# Altium PCB UAVPoS_V2_0.PcbDoc (part 2 of 3)
Units mm, origin at the board's own origin, x right, y up, seen from the top; angles counter-clockwise.
Board outline 222.6 x 240.1 mm, 2 copper layers (Top Layer, Bottom Layer); 196 components, 103 nets, 652 pads, 564 vias.
Unrouted connection lines stored in the file: 6.
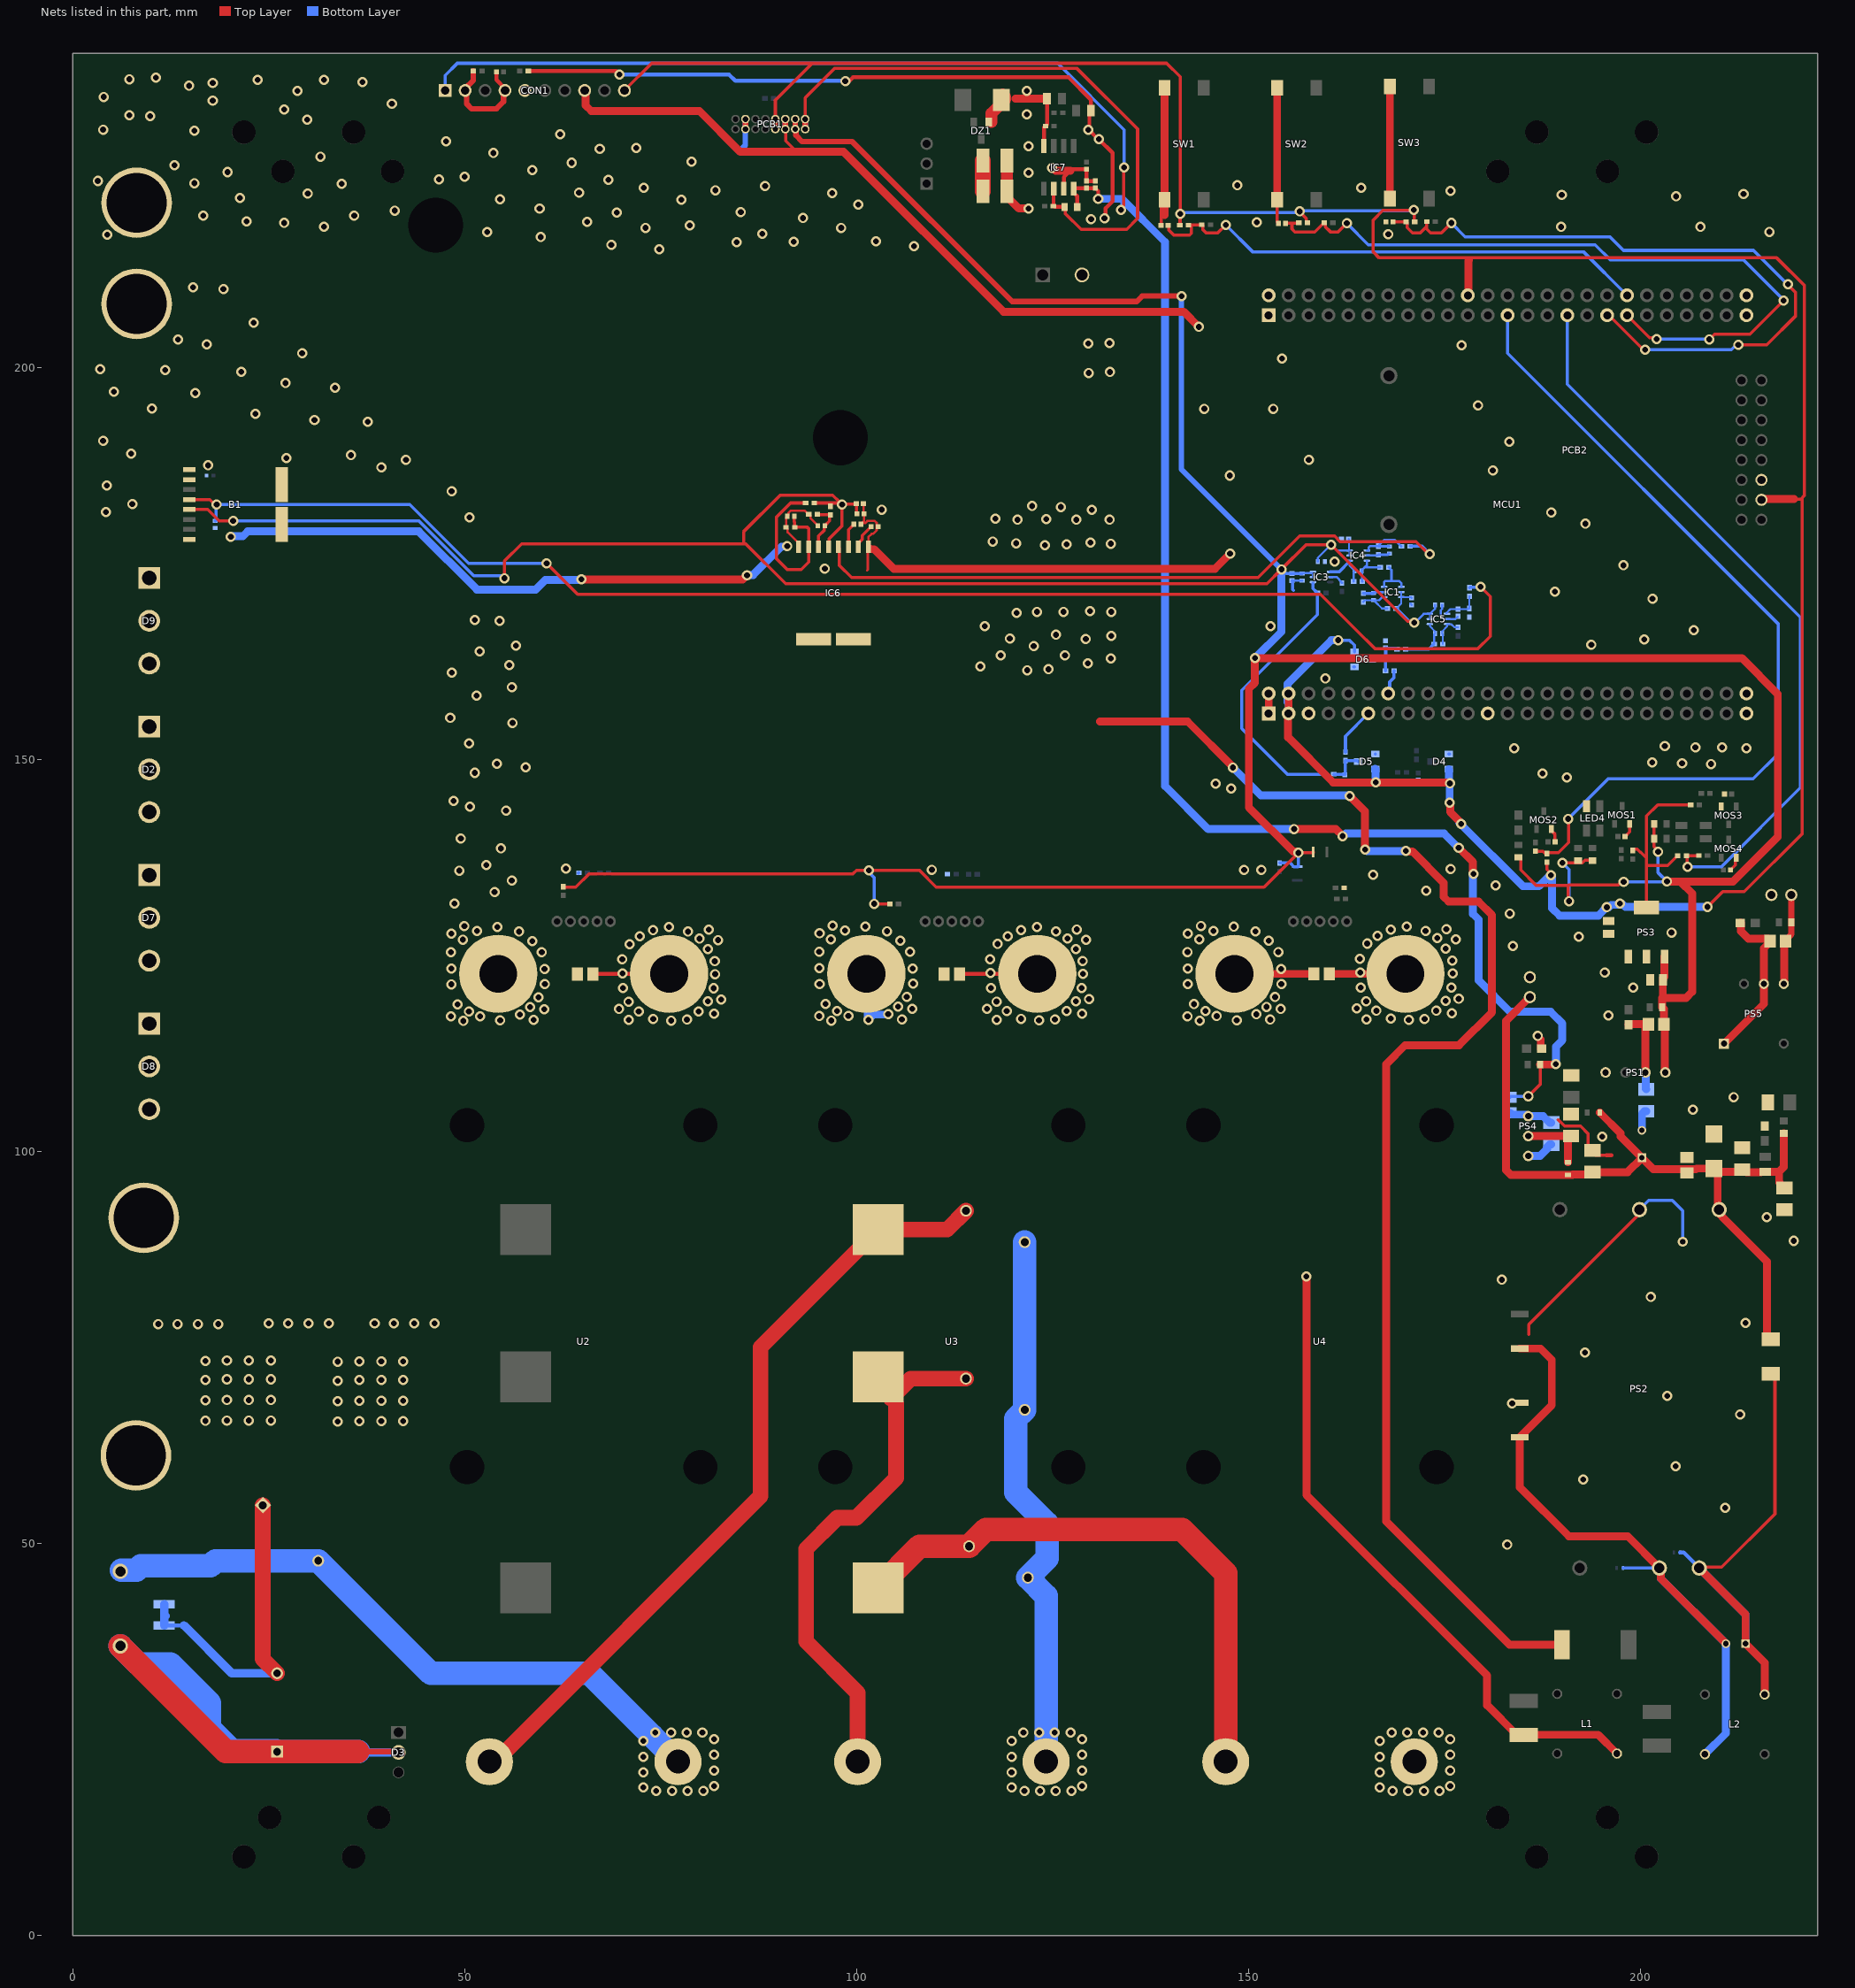
[diagram p2: the nets of this part, all layers, seen from the top]

## Part data (continued)
R20: library part RC0402FR-073K6L, "Res Thick Film 0402 3.6K Ohm 1% 0.063W(1/16W)", Case Code (Imperial)=0402, Case Code (Metric)=1005, Manufacturer=Yageo, Max Operating Temperature=155°C, Max Power Dissipation=63mW, Min Operating Temperature=-55°C, Package Quantity=1, Power Rating=62.5mW, Resistance=3.6kR, Resistance Tolerance=1%, Resistor Type="Thick Film", Supplier Part Number 1=603-RC0402FR-073K6L, Temperature Coefficient=100ppm/°C, Voltage Rating=50V, Case/Package=0402, Category="Chip SMD Resistors", ComponentLink1Description=https://datasheet.ciiva.com/2553/pyu-r-int-th, ComponentLink1URL=https://datasheet.ciiva.com/2553/pyu-r-int-th, ComponentLink2Description=https://datasheet.ciiva.com/2553/pyu-r-int-th, ComponentLink2URL=https://datasheet.ciiva.com/2553/pyu-r-int-th, ComponentLink3Description=https://datasheet.ciiva.com/2553/pyu-r-int-th, ComponentLink3URL=https://datasheet.ciiva.com/2553/pyu-r-int-th, ComponentLink4Description=https://datasheet.ciiva.com/15189/getdatashee, ComponentLink4URL=https://datasheet.ciiva.com/15189/getdatashee, Construction=Rectangular, Depth=0.5mm, Features="Moisture Resistant", Height=0.016inch, Lead Free="Lead Free", Length=1mm, Manufacturer Part Number=RC0402FR-073K6L, Military Standard=Not, Number of Pins=2, Number of Terminations=2, Packaging="Tape and Reel", Part Number=RC0402FR-073K6L, Pricing 1="1=0,10000, 10=0,01200, 50=0,01200, 100=0,0050", Reach SVHC Compliant=Yes, RoHS=Yes, RoHS Compliant=Yes, Series=RC, Size Code=0402, Stock 1=304505, Supplier 1=Mouser, Termination=SMD/SMT, Tolerance=1%, Voltage Rating (DC)=50V, Weight=2.3E-05oz, Width=0.5mm
R21 R24 R30 R31 R36: library part RC0402FR-071K4L, "Res General Purpose Thick Film 0402 1.4K Ohm", Case Code (Imperial)=0402, Case Code (Metric)=1005, Manufacturer=Yageo, Max Operating Temperature=155°C, Max Power Dissipation=63mW, Min Operating Temperature=-55°C, Power Rating=62.5mW, Resistance=1.4kR, Resistor Type="Thick Film", Supplier Part Number 1=603-RC0402FR-071K4L, Temperature Coefficient=100ppm/°C, Tolerance=1%, Voltage Rating=50V, Case/Package=0402, Category="Chip SMD Resistors", ComponentLink1Description=https://datasheet.ciiva.com/8895/pyu-rc0402-5, ComponentLink1URL=https://datasheet.ciiva.com/8895/pyu-rc0402-5, Construction=Rectangular, Contact Plating=Tin,Matte, Depth=0.5mm, Features="Moisture Resistant", Height=0.016inch, Lead Free="Lead Free", Length=1mm, Manufacturer Part Number=RC0402FR-071K4L, Military Standard=Not, Number of Terminations=2, Packaging="Tape and Reel", Part Number=RC0402FR-071K4L, Pricing 1="1=0,10000, 10=0,01200, 50=0,01200, 100=0,0050", Radiation Hardening=No, RoHS=Yes, RoHS Compliant=Yes, Series=RC, Size Code=0402, Stock 1=159478, Supplier 1=Mouser, Termination=SMD/SMT, Voltage Rating (DC)=50V, Width=0.5mm
R22: library part RC0402FR-074K22L, "RES SMD 4.22K OHM 1% 1/16W 0402", Case Code (Imperial)=0402, Case Code (Metric)=1005, Manufacturer=Yageo, Max Operating Temperature=155°C, Max Power Dissipation=63mW, Min Operating Temperature=-55°C, Power Rating=62.5mW, Resistance=4.22kR, Resistor Type="Thick Film", Supplier Part Number 1=603-RC0402FR-074K22L, Temperature Coefficient=100ppm/°C, Tolerance=1%, Voltage Rating=50V, Case/Package=0402, Category="Chip SMD Resistors", ComponentLink1Description=https://datasheet.ciiva.com/5558/pyu-rc0402-5, ComponentLink1URL=https://datasheet.ciiva.com/5558/pyu-rc0402-5, ComponentLink2Description=https://datasheet.ciiva.com/8893/pyu-rc0402-5, ComponentLink2URL=https://datasheet.ciiva.com/8893/pyu-rc0402-5, ComponentLink3Description=https://datasheet.ciiva.com/26830/getdatashee, ComponentLink3URL=https://datasheet.ciiva.com/26830/getdatashee, Construction=Rectangular, Contact Plating=Tin,Matte, Depth=0.5mm, Features="Moisture Resistant", Height=0.016inch, Lead Free="Lead Free", Length=1mm, Manufacturer Part Number=RC0402FR-074K22L, Military Standard=Not, Number of Terminations=2, Packaging="Tape and Reel", Part Number=RC0402FR-074K22L, Pricing 1="1=0,10000, 10=0,01400, 50=0,01400, 100=0,0050", RoHS=Yes, RoHS Compliant=Yes, Series=RC, Size Code=0402, Stock 1=51550, Supplier 1=Mouser, Termination=SMD/SMT, Voltage Rating (DC)=50V, Width=0.02inch
R23: library part RC0402FR-07845RL, "Res Thick Film 0402 845 Ohm 1% 1/16W ±100ppm/", Case Code (Imperial)=0402, Case Code (Metric)=1005, Manufacturer=Yageo, Max Operating Temperature=155°C, Max Power Dissipation=63mW, Min Operating Temperature=-55°C, Power Rating=62.5mW, Resistor Type="Thick Film", Supplier Part Number 1=603-RC0402FR-07845RL, Temperature Coefficient=100ppm/°C, Tolerance=1%, Voltage Rating=50V, Case/Package=0402, Category="Chip SMD Resistors", ComponentLink1Description=https://datasheet.ciiva.com/17423/pyu-rc0402-, ComponentLink1URL=https://datasheet.ciiva.com/17423/pyu-rc0402-, Construction=Rectangular, Contact Plating=Tin,Matte, Depth=0.5mm, Features="Moisture Resistant", Height=0.016inch, Lead Free="Lead Free", Length=1mm, Manufacturer Part Number=RC0402FR-07845RL, Military Standard=Not, Number of Terminations=2, Packaging="Tape and Reel", Part Number=RC0402FR-07845RL, Pricing 1="1=0,10000, 10=0,01200, 50=0,01200, 100=0,0050", Resistance=845R, RoHS=Yes, RoHS Compliant=Yes, Series=RC, Size Code=0402, Stock 1=37160, Supplier 1=Mouser, Termination=SMD/SMT, Width=0.5mm
R25: library part RT0603BRD07100KL, "RES SMD 100K OHM 0.1% 1/10W 0603", Case Code (Imperial)=0603, Case Code (Metric)=1608, Manufacturer=Yageo, Max Operating Temperature=125°C, Max Power Dissipation=100mW, Min Operating Temperature=-55°C, Package Quantity=5000, Resistance=100kR, Resistor Type="Thin Film", Supplier Part Number 1=603-RT0603BRD07100KL, Temperature Coefficient=25ppm/°C, Tolerance=0.1%, Voltage Rating=75V, Case/Package=0603, Category="Chip SMD Resistors", ComponentLink1Description=https://datasheet.ciiva.com/11819/0900766b807, ComponentLink1URL=https://datasheet.ciiva.com/11819/0900766b807, Construction=Rectangular, Depth=0.8mm, Features="Moisture Resistant", Height=0.022inch, Lead Free="Lead Free", Length=1.6mm, Manufacturer Part Number=RT0603BRD07100KL, Military Standard=Not, Mount="Surface Mount", Number of Terminations=2, Packaging="Tape and Reel", Part Number=RT0603BRD07100KL, Power Rating=100mW, Pricing 1="1=0,33000, 10=0,25600, 50=0,25600, 100=0,1080", RoHS=Yes, RoHS Compliant=Yes, Series=RT, Stock 1=117151, Supplier 1=Mouser, Technology="THIN FILM", Termination=SMD/SMT, Voltage Rating (DC)=75V, Width=0.031inch, Working Voltage=75V
R26: library part RT0402BRD07604RL, "Res Thin Film 0402 604 Ohm 0.1% 1/16W ±25ppm/", Case Code (Imperial)=0402, Case Code (Metric)=1005, Manufacturer=Yageo, Max Operating Temperature=125°C, Max Power Dissipation=63mW, Min Operating Temperature=-55°C, Package Quantity=10000, Power Rating=62.5mW, Resistance=604R, Resistor Type="Thin Film", Supplier Part Number 1=603-RT0402BRD07604RL, Temperature Coefficient=25ppm/°C, Tolerance=0.1%, Voltage Rating=50V, Case/Package=0402, Category="Chip SMD Resistors", ComponentLink1Description=https://datasheet.ciiva.com/2582/pyu-rt-1-to-, ComponentLink1URL=https://datasheet.ciiva.com/2582/pyu-rt-1-to-, ComponentLink2Description=https://datasheet.ciiva.com/12723/pyu-rt-1-to, ComponentLink2URL=https://datasheet.ciiva.com/12723/pyu-rt-1-to, Height=0.014inch, Lead Free="Lead Free", Length=0.039inch, Manufacturer Part Number=RT0402BRD07604RL, Number of Terminations=2, Packaging="Tape and Reel", Part Number=RT0402BRD07604RL, Pricing 1="1=0,36000, 10=0,26100, 50=0,26100, 100=0,1050", RoHS=Yes, RoHS Compliant=Yes, Series=RT, Stock 1=5469, Supplier 1=Mouser, Termination=SMD/SMT, Voltage Rating (DC)=50V, Width=0.02inch
R27: library part RT0603BRD07374RL, "Res Thin Film 0603 374 Ohm 0.1% 1/10W ±25ppm/", Case Code (Imperial)=0603, Case Code (Metric)=1608, Manufacturer=Yageo, Max Operating Temperature=155°C, Max Power Dissipation=100mW, Min Operating Temperature=-55°C, Package Quantity=5000, Resistance=374R, Resistor Type="Thin Film", Supplier Part Number 1=603-RT0603BRD07374RL, Temperature Coefficient=25ppm/°C, Tolerance=0.1%, Voltage Rating=75V, Voltage Rating (DC)=50V, Case/Package=0603, Category="Chip SMD Resistors", ComponentLink1Description=https://datasheet.ciiva.com/2585/pyu-rt-1-to-, ComponentLink1URL=https://datasheet.ciiva.com/2585/pyu-rt-1-to-, ComponentLink2Description=https://datasheet.ciiva.com/12702/pyu-rt-1-to, ComponentLink2URL=https://datasheet.ciiva.com/12702/pyu-rt-1-to, ComponentLink3Description=https://datasheet.ciiva.com/46635/pyu-rt-1-to, ComponentLink3URL=https://datasheet.ciiva.com/46635/pyu-rt-1-to, Features="Moisture Resistant", Height=0.022inch, Lead Free="Lead Free", Length=0.063inch, Manufacturer Part Number=RT0603BRD07374RL, Number of Terminations=2, Packaging="Tape and Reel", Part Number=RT0603BRD07374RL, Power Rating=100mW, Pricing 1="1=0,33000, 10=0,27400, 50=0,27400, 100=0,1080", RoHS=Yes, RoHS Compliant=Yes, Series=RT, Stock 1=5833, Supplier 1=Mouser, Termination=SMD/SMT, Width=0.031inch
R28 R29 R32 R34 R35: library part RC0402FR-072KL, "Res General Purpose Thick Film 0402 2K Ohm 1%", Case Code (Imperial)=0402, Case Code (Metric)=1005, Manufacturer=Yageo, Max Operating Temperature=155°C, Max Power Dissipation=63mW, Min Operating Temperature=-55°C, Package Quantity=1, Resistance=2kR, Resistance Tolerance=1%, Resistor Type="Thick Film", Supplier Part Number 1=603-RC0402FR-072KL, Temperature Coefficient=100ppm/°C, Voltage Rating=50V, Case/Package=0402, Category="Chip SMD Resistors", ComponentLink1Description=https://datasheet.ciiva.com/11808/0900766b80c, ComponentLink1URL=https://datasheet.ciiva.com/11808/0900766b80c, ComponentLink2Description=https://datasheet.ciiva.com/2453/pyu-r-int-th, ComponentLink2URL=https://datasheet.ciiva.com/2453/pyu-r-int-th, ComponentLink3Description=https://datasheet.ciiva.com/2453/pyu-r-int-th, ComponentLink3URL=https://datasheet.ciiva.com/2453/pyu-r-int-th, ComponentLink4Description=https://datasheet.ciiva.com/2453/pyu-r-int-th, ComponentLink4URL=https://datasheet.ciiva.com/2453/pyu-r-int-th, ComponentLink5Description=https://datasheet.ciiva.com/15189/getdatashee, ComponentLink5URL=https://datasheet.ciiva.com/15189/getdatashee, ComponentLink6Description=https://datasheet.ciiva.com/12667/pyu-rc0402-, ComponentLink6URL=https://datasheet.ciiva.com/12667/pyu-rc0402-, ComponentLink7Description=https://datasheet.ciiva.com/7983/1018594-7983, ComponentLink7URL=https://datasheet.ciiva.com/7983/1018594-7983, ComponentLink8Description=https://datasheet.ciiva.com/7849/1018594-7849, ComponentLink8URL=https://datasheet.ciiva.com/7849/1018594-7849, ComponentLink9Description=https://datasheet.ciiva.com/7849/1018594-7849, ComponentLink9URL=https://datasheet.ciiva.com/7849/1018594-7849, Construction=Rectangular, Depth=0.5mm, Features="Moisture Resistant", Height=0.016inch, Lead Free="Lead Free", Length=1mm, Manufacturer Part Number=RC0402FR-072KL, Military Standard=Not, Number of Terminations=2, Packaging="Tape and Reel", Part Number=RC0402FR-072KL, Power Rating=63mW, Pricing 1="1=0.10000, 10=0.01600, 50=0.01600, 100=0.0070", REACH SVHC=Unknown, RoHS=Yes, RoHS Compliant=Yes, Series=RC, Stock 1=259736, Supplier 1=Mouser, Technology="THICK FILM", Termination=SMD/SMT, Tolerance=1%, Voltage Rating (DC)=50V, Width=0.02inch, Working Voltage=50V
R33 R69: library part RC0402FR-071K02L, "Res Thick Film 0402 1.02K Ohm 1% 1/16W ±100pp", Case/Package=0402, Manufacturer=Yageo, Supplier Part Number 1=603-RC0402FR-071K02L, Category="Chip SMD Resistors", Manufacturer Part Number=RC0402FR-071K02L, Part Number=RC0402FR-071K02L, Pricing 1="1=0.10000, 10=0.01400, 50=0.01400, 100=0.0060", RoHS=Yes, Stock 1=55716, Supplier 1=Mouser
R37 R38 R39 R40 R41 R42 R64 R65 R66: library part RT0402FRE07100RL, "Res Thin Film 0402 100 Ohm 1% 0.063W(1/16W) ±", Case Code (Imperial)=0402, Case Code (Metric)=1005, Manufacturer=Yageo, Max Operating Temperature=125°C, Max Power Dissipation=63mW, Min Operating Temperature=-55°C, Package Quantity=10000, Power Rating=62.5mW, Resistor Type="Thin Film", Supplier Part Number 1=603-RT0402FRE07100RL, Temperature Coefficient=50ppm/°C, Tolerance=1%, Voltage Rating=50V, Case/Package=0402, Category="Chip SMD Resistors", ComponentLink1Description=https://datasheet.ciiva.com/12836/pyu-rt-1-to, ComponentLink1URL=https://datasheet.ciiva.com/12836/pyu-rt-1-to, ComponentLink2Description=https://datasheet.ciiva.com/8887/pyu-rt-1-to-, ComponentLink2URL=https://datasheet.ciiva.com/8887/pyu-rt-1-to-, Construction=Rectangular, Contact Plating=Tin,Matte, Depth=0.5mm, Features="Moisture Resistant", Height=0.014inch, Lead Free="Lead Free", Length=1mm, Manufacturer Part Number=RT0402FRE07100RL, Military Standard=Not, Number of Terminations=2, Packaging="Tape and Reel", Part Number=RT0402FRE07100RL, Pricing 1="1=0,10000, 10=0,07000, 50=0,07000, 100=0,0290", Radiation Hardening=No, Resistance=100R, RoHS=Yes, RoHS Compliant=Yes, Series=RT, Size Code=0402, Stock 1=800109, Supplier 1=Mouser, Termination=SMD/SMT, Voltage Rating (DC)=50V, Weight=2.3E-05oz, Width=0.02inch
R49 R53 R54 R55 R63: library part RT0402FRE0710RL, "Res Thin Film 0402 10 Ohm 1% 0.063W(1/16W) ±5", Case Code (Imperial)=0402, Case Code (Metric)=1005, Manufacturer=Yageo, Max Operating Temperature=125°C, Max Power Dissipation=63mW, Min Operating Temperature=-55°C, Power Rating=62.5mW, Resistor Type="Thin Film", Supplier Part Number 1=603-RT0402FRE0710RL, Temperature Coefficient=50ppm/°C, Tolerance=1%, Voltage Rating=50V, Case/Package=0402, Category="Chip SMD Resistors", ComponentLink1Description=https://datasheet.ciiva.com/12812/pyu-rt-1-to, ComponentLink1URL=https://datasheet.ciiva.com/12812/pyu-rt-1-to, Construction=Rectangular, Contact Plating=Tin,Matte,Lead, Depth=0.5mm, Height=0.3mm, Lead Free="Lead Free", Length=1mm, Manufacturer Part Number=RT0402FRE0710RL, Military Standard=Not, Number of Terminations=2, Packaging="Tape and Reel", Part Number=RT0402FRE0710RL, Pricing 1="1=0,10110, 10=0,08390, 25=0,08320, 100=0,0347", Radiation Hardening=No, Resistance=10R, RoHS=Yes, RoHS Compliant=Yes, Series=RT, Stock 1=9607, Supplier 1=Mouser, Termination=SMD/SMT, Voltage Rating (DC)=50V, Weight=2.3E-05oz, Width=0.5mm
R56: library part RT0805BRD0743KL, "Res Thin Film 0805 43K Ohm 0.1% 1/8W ±25ppm/°", Case Code (Imperial)=0805, Case Code (Metric)=2012, Manufacturer=Yageo, Max Operating Temperature=155°C, Max Power Dissipation=125mW, Min Operating Temperature=-55°C, Package Quantity=5000, Resistance=43kR, Resistor Type="Thin Film", Supplier Part Number 1=603-RT0805BRD0743KL, Temperature Coefficient=25ppm/°C, Tolerance=0.1%, Voltage Rating=150V, Case/Package=0805, Category="Chip SMD Resistors", ComponentLink1Description=https://datasheet.ciiva.com/2585/pyu-rt-1-to-, ComponentLink1URL=https://datasheet.ciiva.com/2585/pyu-rt-1-to-, Features="Moisture Resistant", Height=0.024inch, Lead Free="Lead Free", Length=0.079inch, Manufacturer Part Number=RT0805BRD0743KL, Number of Terminations=2, Packaging="Tape and Reel", Part Number=RT0805BRD0743KL, Power Rating=125mW, Pricing 1="1=0,39000, 10=0,27800, 50=0,27800, 100=0,1120", RoHS=Yes, RoHS Compliant=Yes, Series=RT, Size Code=0805, Stock 1=2727, Supplier 1=Mouser, Termination=SMD/SMT, Voltage Rating (DC)=150V, Weight=0.000194oz, Width=0.049inch
R57: library part MCT06030C3161FP500, "Res Thin Film 0603 3.16K Ohm 1% 1/10W ±50ppm/", Case Code (Imperial)=0603, Case Code (Metric)=1608, Manufacturer="Vishay BCcomponents", Max Operating Temperature=125°C, Max Power Dissipation=125mW, Min Operating Temperature=-55°C, Power Rating=100mW, Resistance=3.16kR, Resistance Tolerance=1%, Resistor Type="Thin Film", Supplier Part Number 1=594-MCT06030C3161FP5, Temperature Coefficient=50ppm/°C, Voltage Rating=75V, Case/Package=0603, Category="Chip SMD Resistors", ComponentLink1Description=https://datasheet.ciiva.com/9112/mc-pro-91126, ComponentLink1URL=https://datasheet.ciiva.com/9112/mc-pro-91126, Construction=Rectangular, Contact Plating=Tin, Depth=0.85mm, Features=Anti-Sulfur, Lead Free="Lead Free", Length=1.55mm, Manufacturer Part Number=MCT06030C3161FP500, Military Standard=Not, Mount="Surface Mount", Number of Terminations=2, Packaging="Tape and Reel", Part Number=MCT06030C3161FP500, Pricing 1="10=0,12800, 25=0,10200, 50=0,07500, 100=0,049", Radiation Hardening=No, REACH SVHC=Unknown, RoHS=Yes, RoHS Compliant=Yes, Series="MCT - Professional", Stock 1=202, Supplier 1=Mouser, Tolerance=1%, Voltage Rating (DC)=75V, Width=850um
R58 R61: library part Res0402_TBD, Part Number=Res0402_TBD
R59: library part ERA-6AEB102V, "Res Thin Film 0805 1K Ohm 0.1% 0.125W(1/8W) +", Case Code (Imperial)=0805, Case Code (Metric)=2012, Manufacturer=Panasonic, Max Operating Temperature=155°C, Max Power Dissipation=125mW, Min Operating Temperature=-55°C, Package Quantity=5000, Resistance=1kR, Resistance Tolerance=0.1%, Resistor Type="Thin Film", Supplier Part Number 1=667-ERA-6AEB102V, Temperature Coefficient=25ppm/°C, Voltage Rating=100V, Case/Package=0805, Category=Uncategorized, ComponentLink1Description=https://datasheet.ciiva.com/11811/0900766b80b, ComponentLink1URL=https://datasheet.ciiva.com/11811/0900766b80b, ComponentLink2Description=https://datasheet.ciiva.com/29184/453027-da-0, ComponentLink2URL=https://datasheet.ciiva.com/29184/453027-da-0, ComponentLink3Description=https://datasheet.ciiva.com/43455/485442-4345, ComponentLink3URL=https://datasheet.ciiva.com/43455/485442-4345, ComponentLink4Description=https://datasheet.ciiva.com/7942/485442-79424, ComponentLink4URL=https://datasheet.ciiva.com/7942/485442-79424, ComponentLink5Description=https://datasheet.ciiva.com/22783/485442-2278, ComponentLink5URL=https://datasheet.ciiva.com/22783/485442-2278, ComponentLink6Description=https://datasheet.ciiva.com/48536/era-eng-tds, ComponentLink6URL=https://datasheet.ciiva.com/48536/era-eng-tds, ComponentLink7Description=https://datasheet.ciiva.com/43457/485442-4345, ComponentLink7URL=https://datasheet.ciiva.com/43457/485442-4345, ComponentLink8Description=https://datasheet.ciiva.com/7942/485442-79424, ComponentLink8URL=https://datasheet.ciiva.com/7942/485442-79424, ComponentLink9Description=https://datasheet.ciiva.com/24025/aoa0000ce26, ComponentLink9URL=https://datasheet.ciiva.com/24025/aoa0000ce26, ComponentLink10Description=https://datasheet.ciiva.com/16782/70068849-16, ComponentLink10URL=https://datasheet.ciiva.com/16782/70068849-16, ComponentLink11Description=https://datasheet.ciiva.com/9198/aoa0000ce26-, ComponentLink11URL=https://datasheet.ciiva.com/9198/aoa0000ce26-, ComponentLink12Description=https://datasheet.ciiva.com/16201/aoa0000ce26, ComponentLink12URL=https://datasheet.ciiva.com/16201/aoa0000ce26, ComponentLink13Description=https://datasheet.ciiva.com/30057/54aoa0000ce, ComponentLink13URL=https://datasheet.ciiva.com/30057/54aoa0000ce, Construction=Rectangular, Contact Plating=Tin, Depth=1.25mm, Height=0.5mm, Length=2mm, Manufacturer Part Number=ERA-6AEB102V, Military Standard=Not, Mount="Surface Mount", Number of Pins=2, Number of Terminations=2, Packaging="Tape and Reel", Part Number=ERA-6AEB102V, Power Rating=125mW, Pricing 1="1=0,20000, 10=0,16600, 50=0,16600, 100=0,1180", Radiation Hardening=No, Reach SVHC Compliant=Yes, RoHS=Yes, RoHS Compliant=Yes, Series=ERA-6A, Stock 1=285, Supplier 1=Mouser, Technology="THIN FILM", Termination=SMD/SMT, Tolerance=0.1%, Width=1.25mm, Working Voltage=100V
SW1 SW2 SW3: library part "PTS125SM43SMTR21M LFS", "Tact Switch 12X12MM Vertical Typ", Case Code (Imperial)=0805, Case Code (Metric)=2012, Color=Green, Forward Current=30mA, Forward Voltage=3.2V, Lens Color=Colorless, Manufacturer="Wurth Electronics", Manufacturer Part Number=430162085826, Max Operating Temperature=85°C, Min Operating Temperature=-40°C, Package Quantity=4000, Supplier Part Number 1=710-430162085826, Test Current=20mA, Case/Package=0805, Category="Tactile Switches", ComponentLink1Description=https://katalog.we-online.com/em/datasheet/43, ComponentLink1URL=https://katalog.we-online.com/em/datasheet/43, ComponentLink2Description=https://datasheet.ciiva.com/5761/1717943-5761, ComponentLink2URL=https://datasheet.ciiva.com/5761/1717943-5761, ComponentLink3Description=https://datasheet.ciiva.com/29563/150080gs750, ComponentLink3URL=https://datasheet.ciiva.com/29563/150080gs750, ComponentLink4Description=https://datasheet.ciiva.com/29279/759434-da-0, ComponentLink4URL=https://datasheet.ciiva.com/29279/759434-da-0, ComponentLink5Description=https://datasheet.ciiva.com/23813/150141rv731, ComponentLink5URL=https://datasheet.ciiva.com/23813/150141rv731, ComponentLink6Description=https://datasheet.ciiva.com/29278/759469-da-0, ComponentLink6URL=https://datasheet.ciiva.com/29278/759469-da-0, ComponentLink7Description=https://datasheet.ciiva.com/22653/1911489-226, ComponentLink7URL=https://datasheet.ciiva.com/22653/1911489-226, Dominant Wavelength=520nm, Height=0.7mm, Length=2mm, Lens Size=2.4mm, Lens Style=Clear,Rectangular, Lens Transparency=Clear, Luminous Intensity=450mcd, Mount="Surface Mount", Number of Pins=4, Packaging="Cut Tape", Part Number="PTS125SM43SMTR21M LFS", Pricing 1="1=0,54000, 10=0,51800, 50=0,44700, 100=0,3910", REACH SVHC=Unknown, RoHS=No, RoHS Compliant=Yes, Series=WL-SBTW, Stock 1=268, Supplier 1=Mouser, Viewing Angle=140°, Wavelength=520nm, Width=1.25mm

## Free pads (board coordinates)
  round 3 hole 3: 1(21.752,10) 1(21.752,230) 1(25.052,15) 1(26.752,225) 1(35.752,230) 1(35.752,10) 1(39,15) 1(40.752,225) 1(181.752,15) 1(181.752,225) 1(186.752,230) 1(186.752,10) 1(195.752,15) 1(195.752,225) 1(200.752,10) 1(200.752,230)

## Via types
v1: diameter 1.3, hole 0.75, Top Layer to Bottom Layer, 563 vias
v2: diameter 1.27, hole 0.711, Top Layer to Bottom Layer, 1 vias
